# Altium PCB CM3_IO_V1.3_20220317.PcbDoc (part 1 of 7)
Units mil, origin at the board's own origin, x right, y up, seen from the top; angles counter-clockwise.
Board outline 6299.61 x 3544.09 mil, 4 copper layers (Top, GND, Power, Bottom), stack 35.4 mil thick; 551 components, 415 nets, 1958 pads, 2673 vias.
Unrouted connection lines stored in the file: 298.
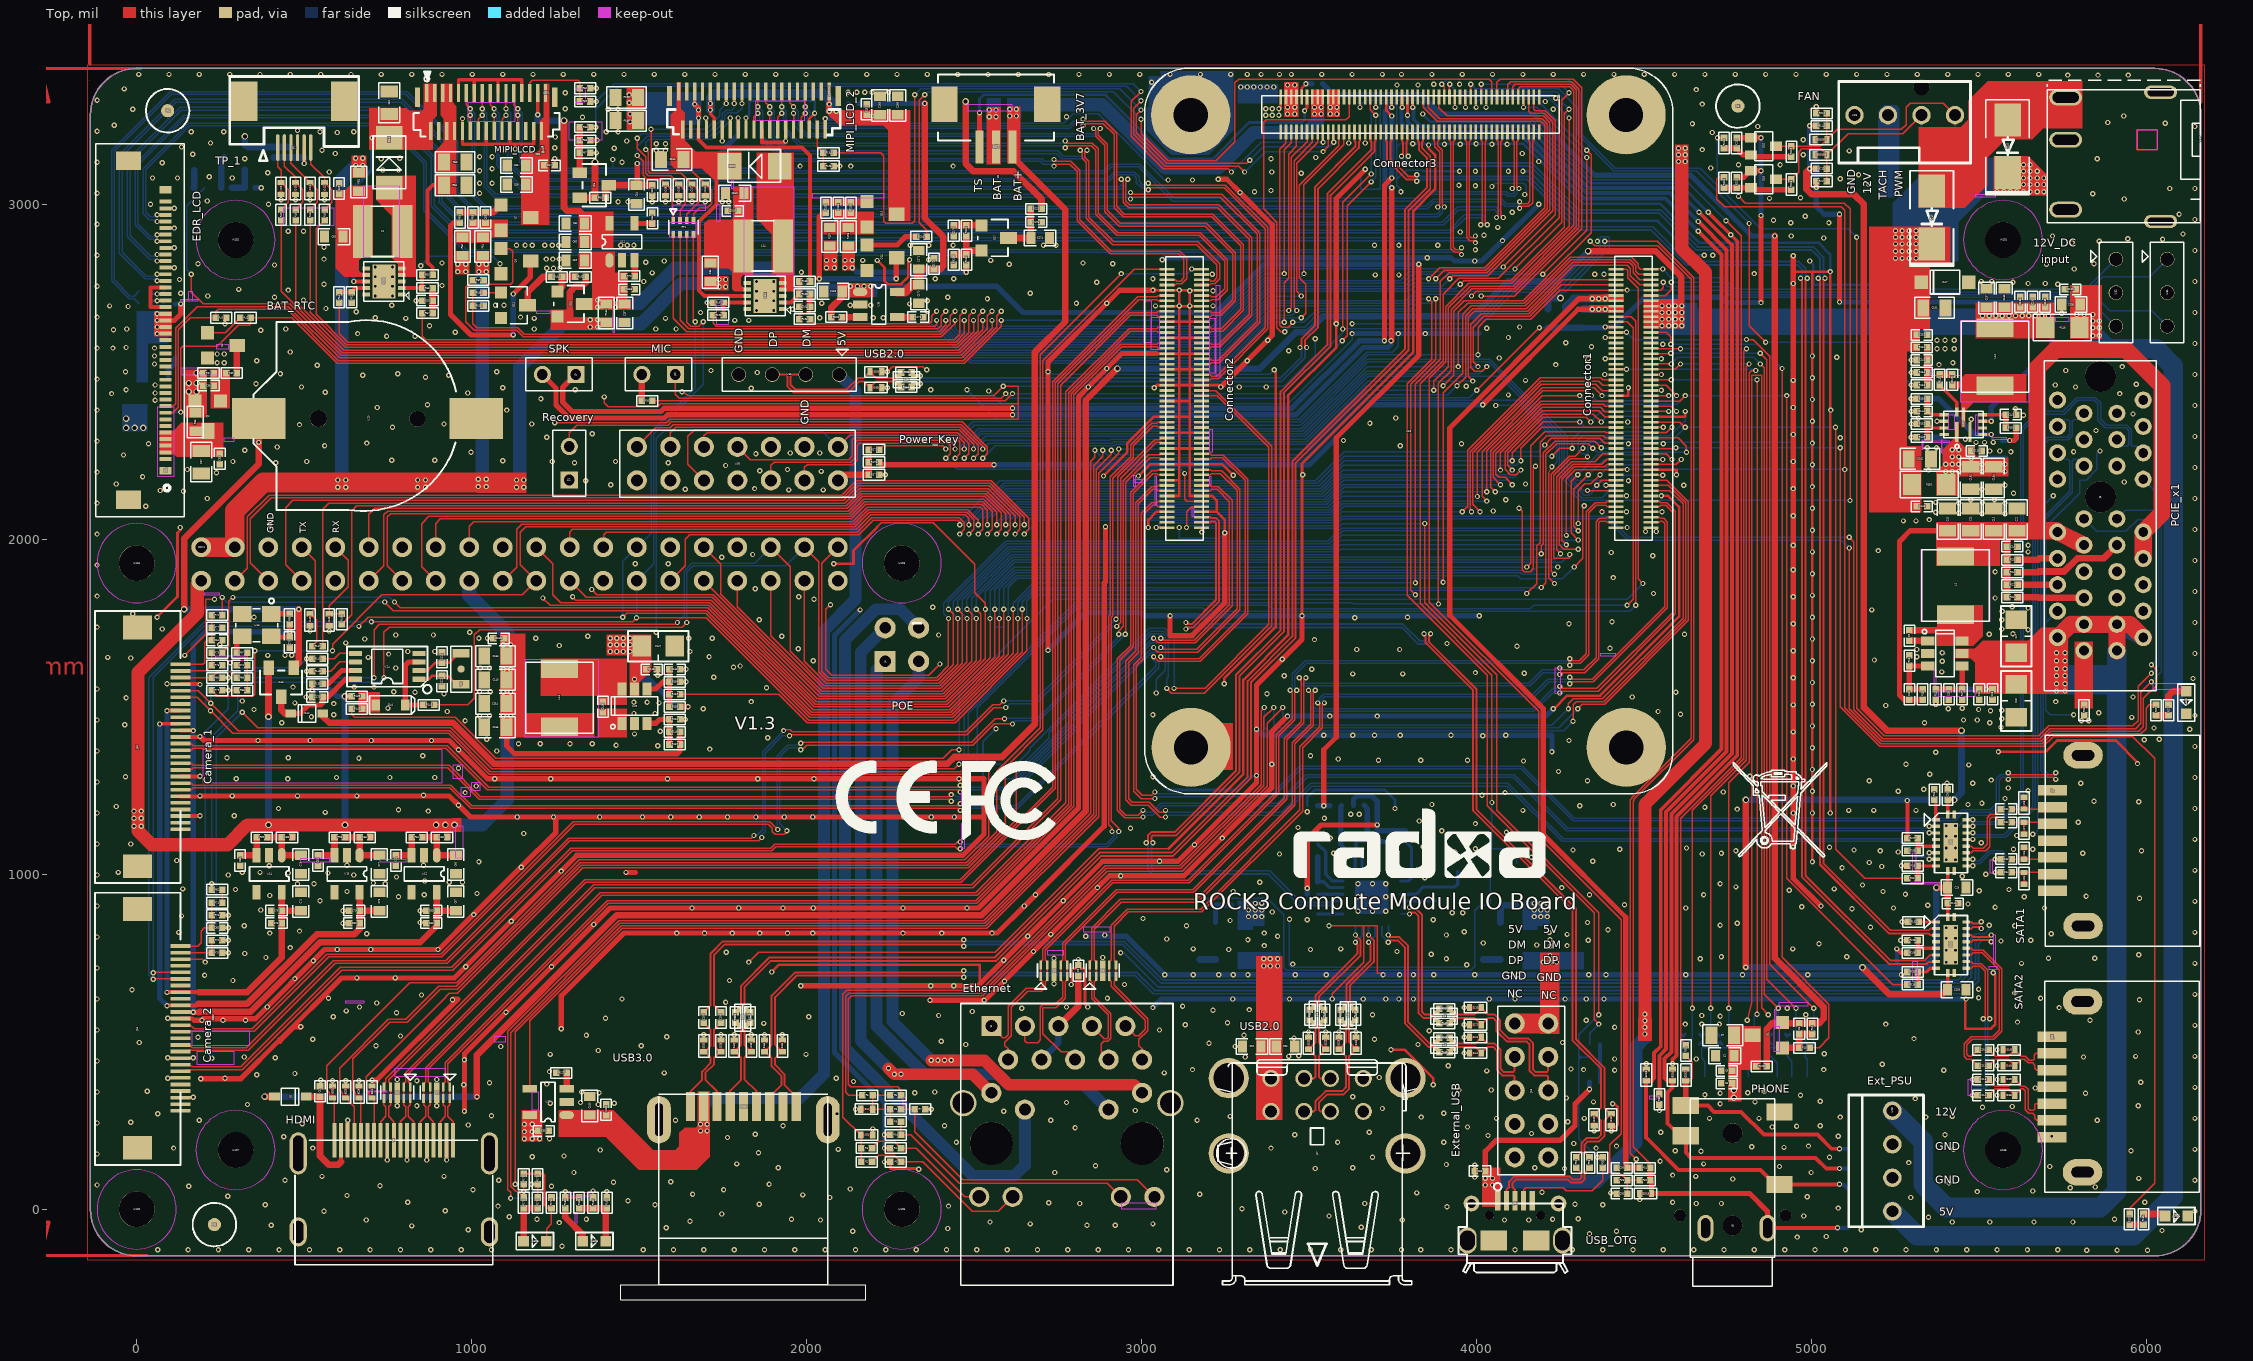
[diagram p0: Top view]
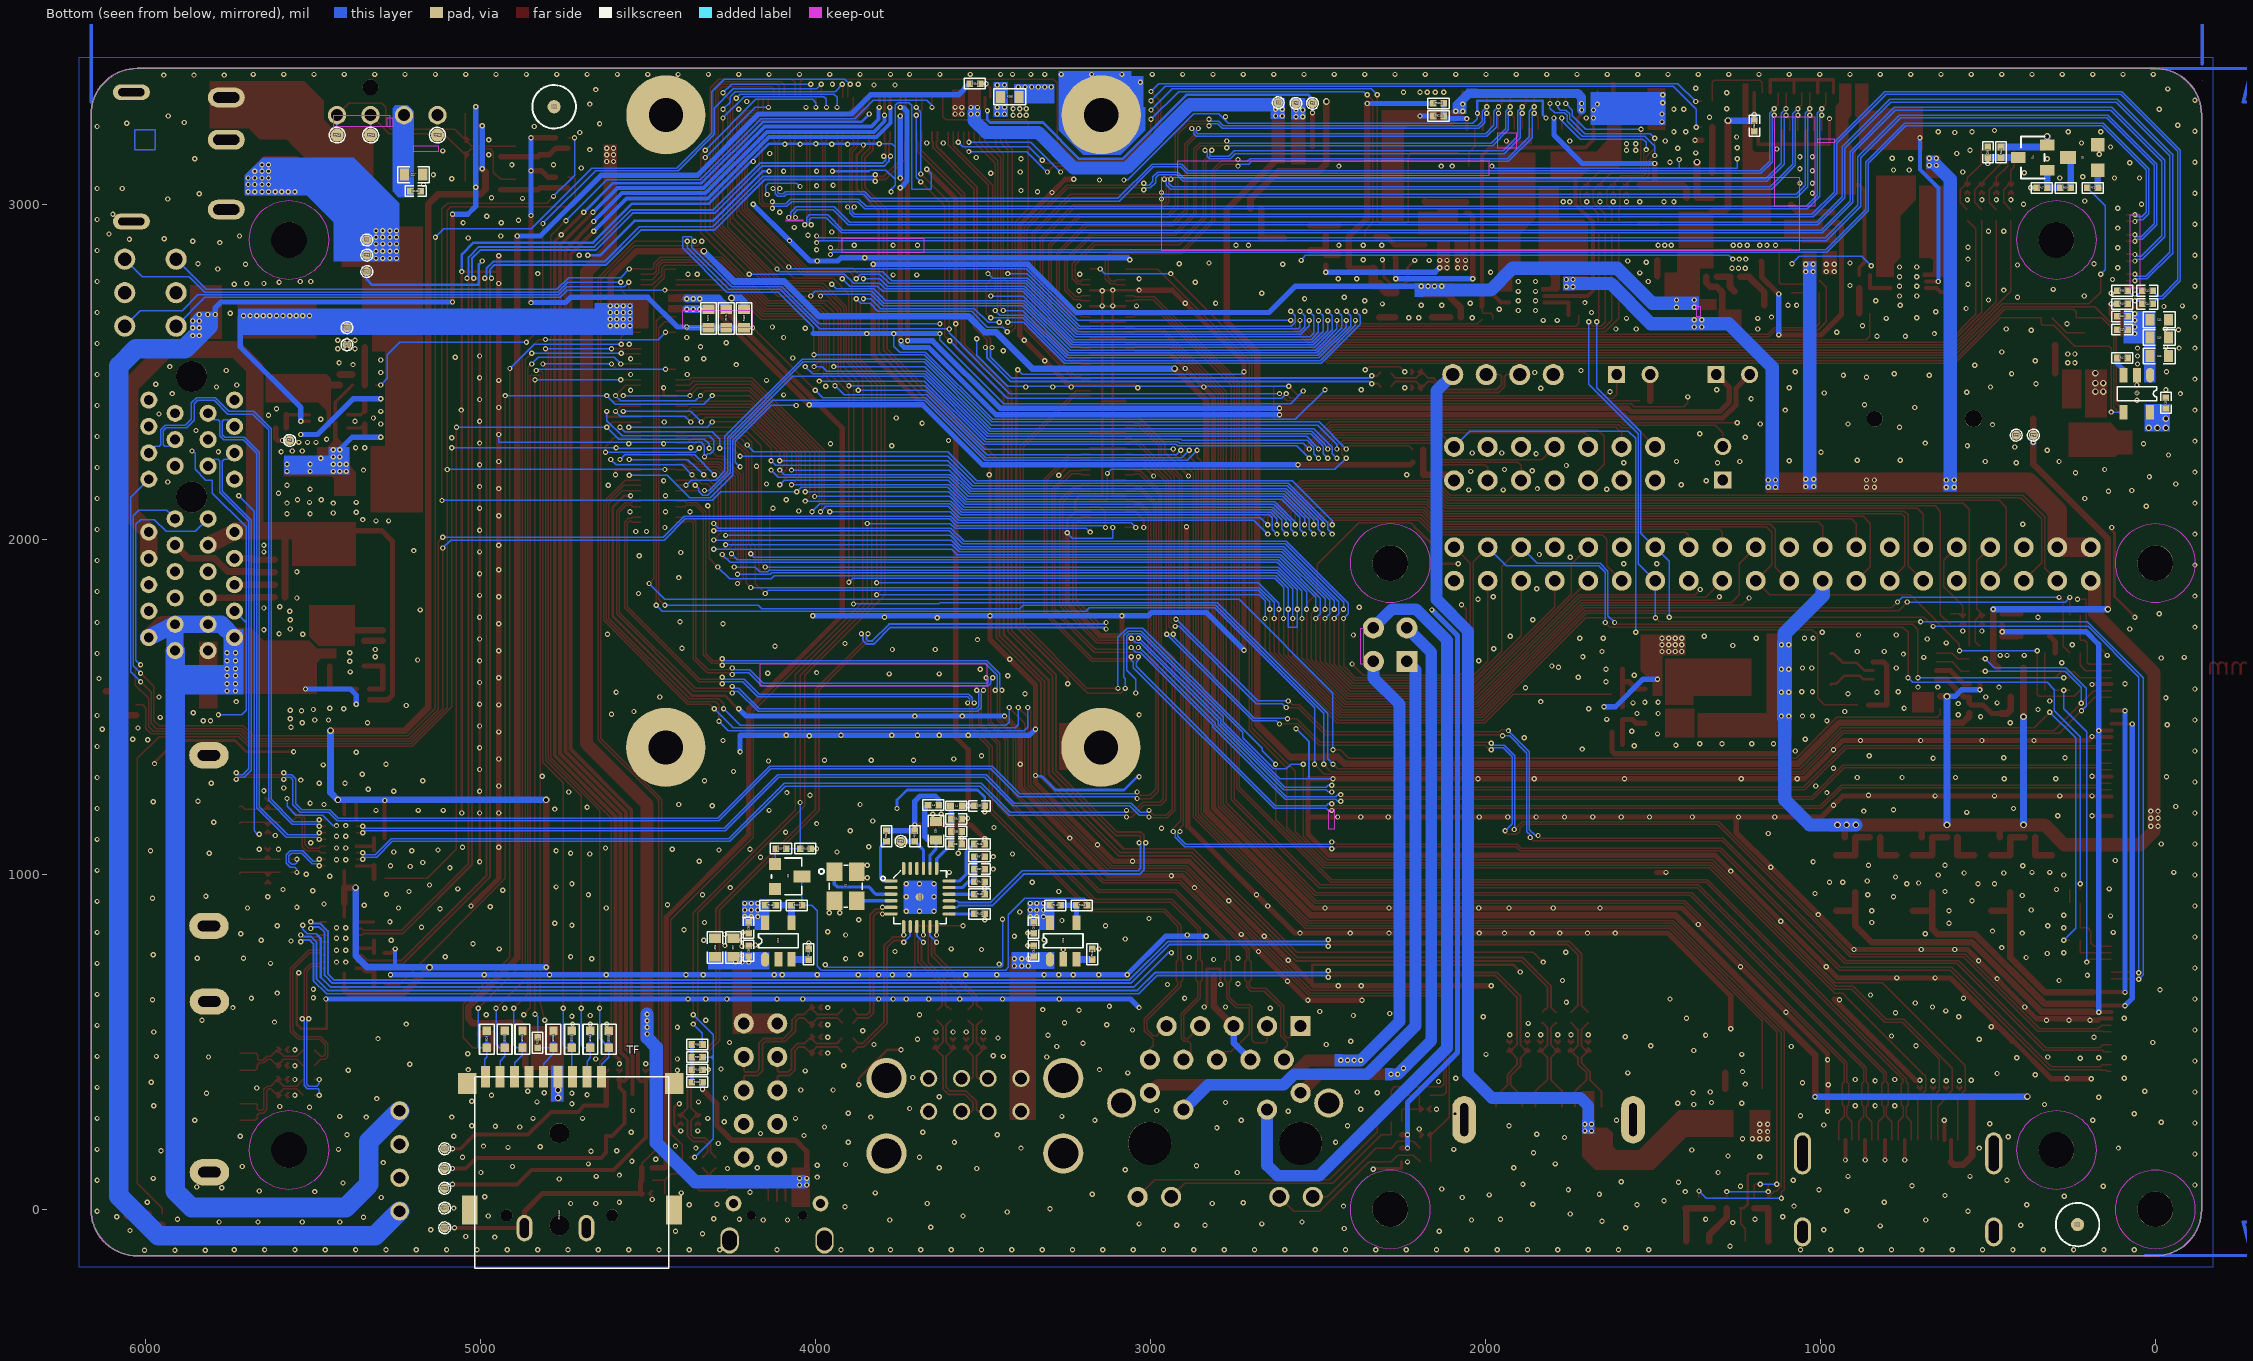
[diagram p1: Bottom view, seen from below]
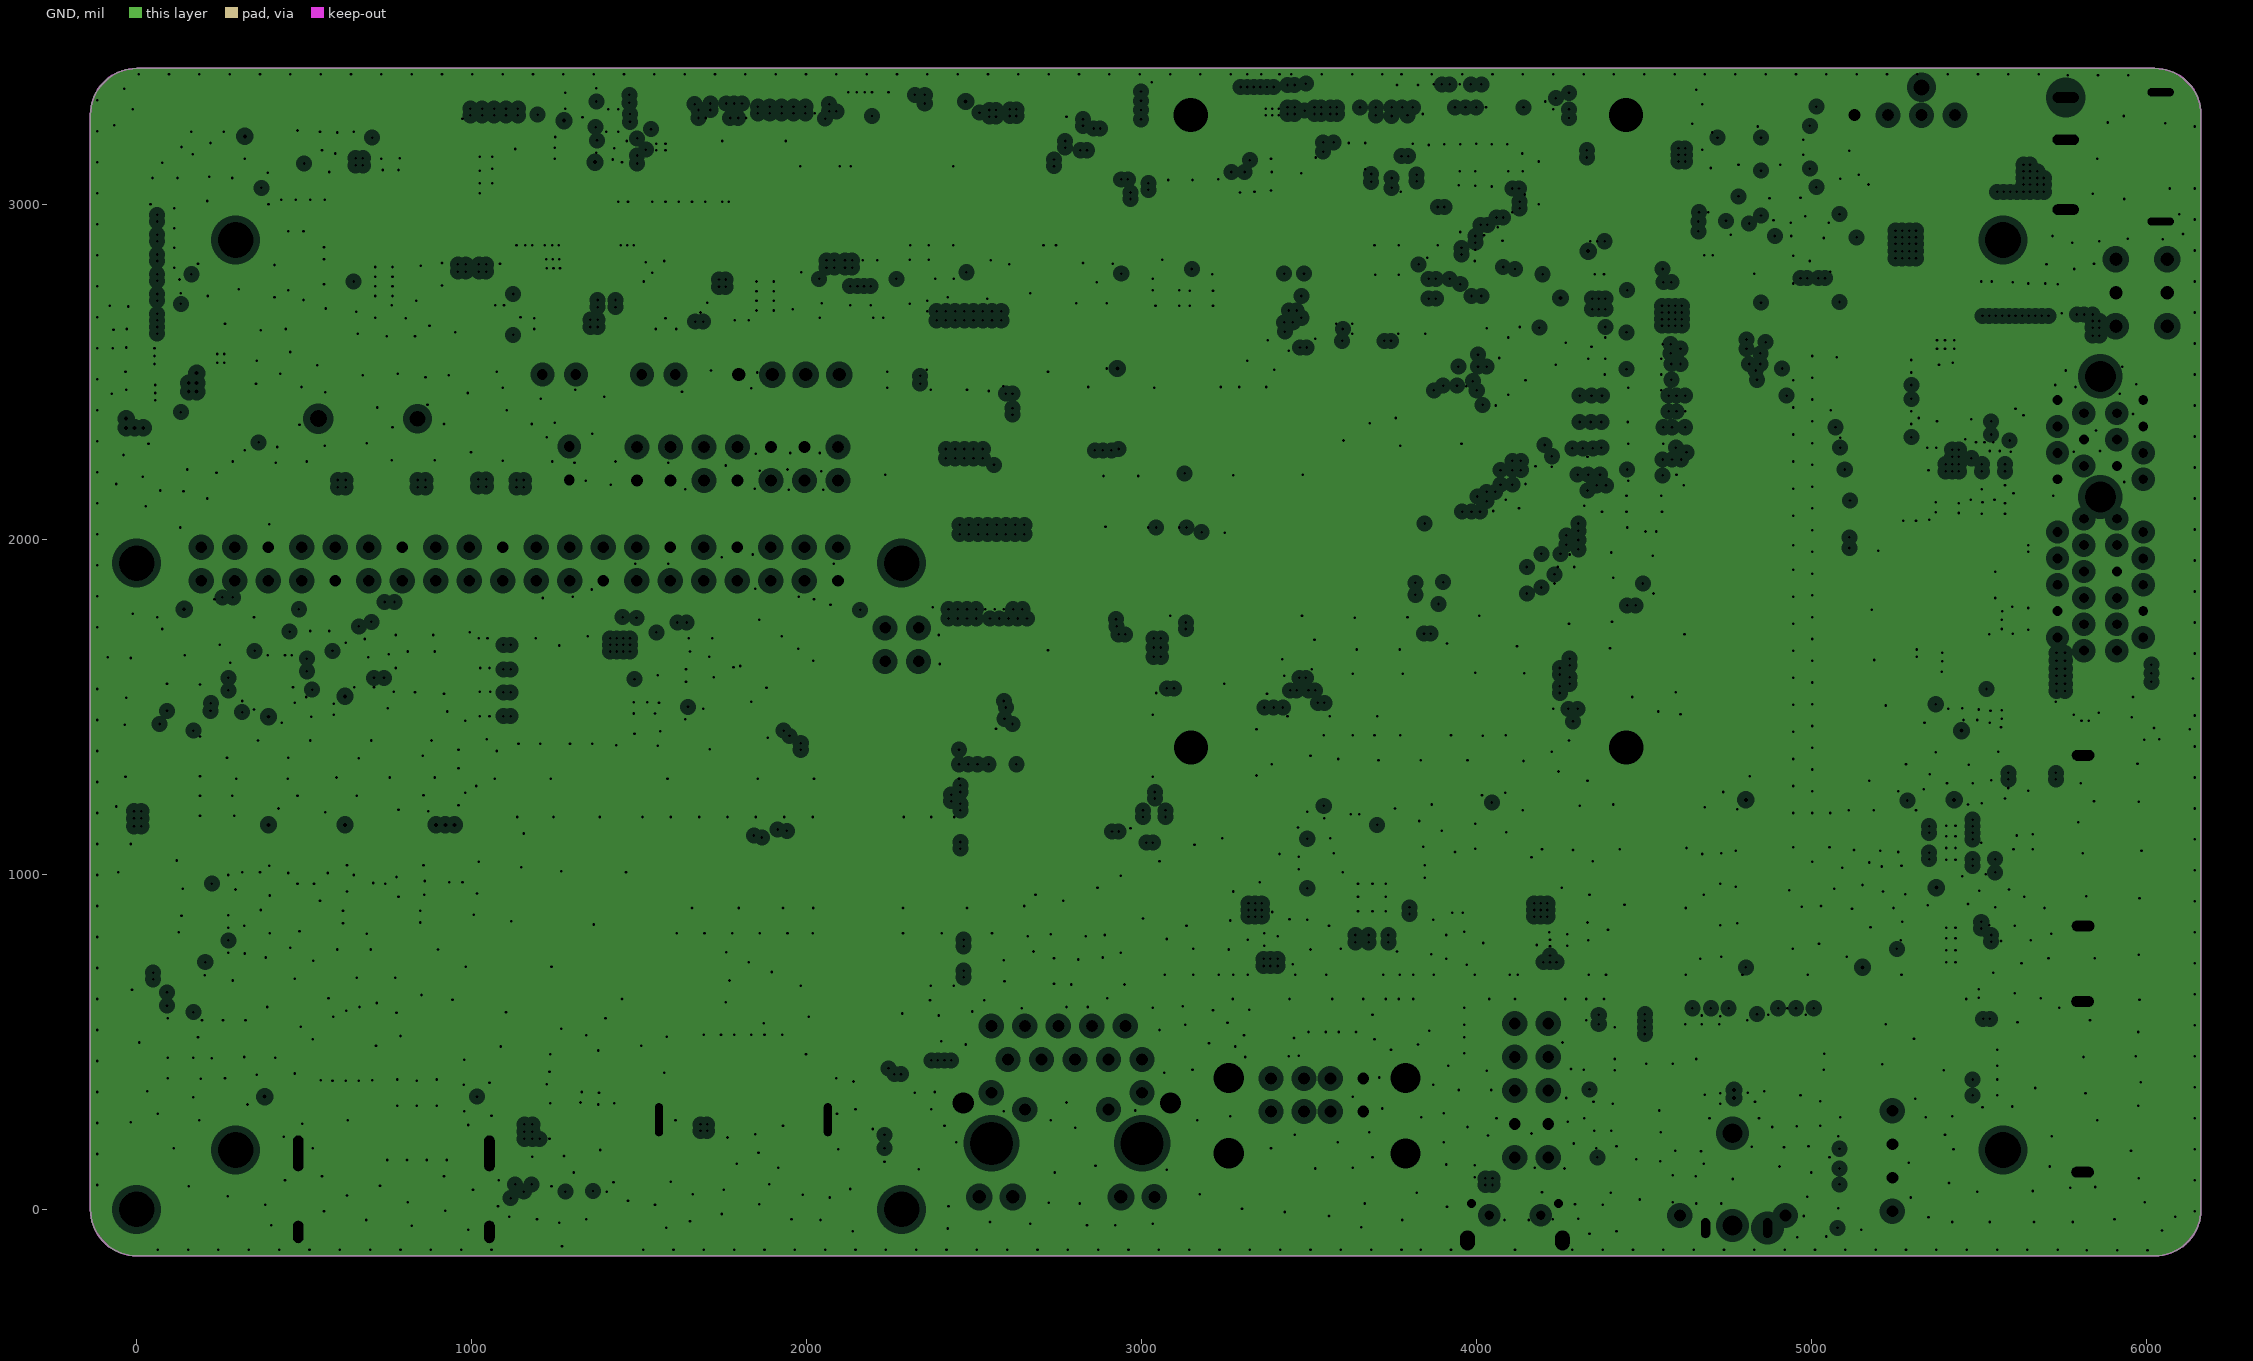
[diagram p2: GND, clearances drawn from the general rule]
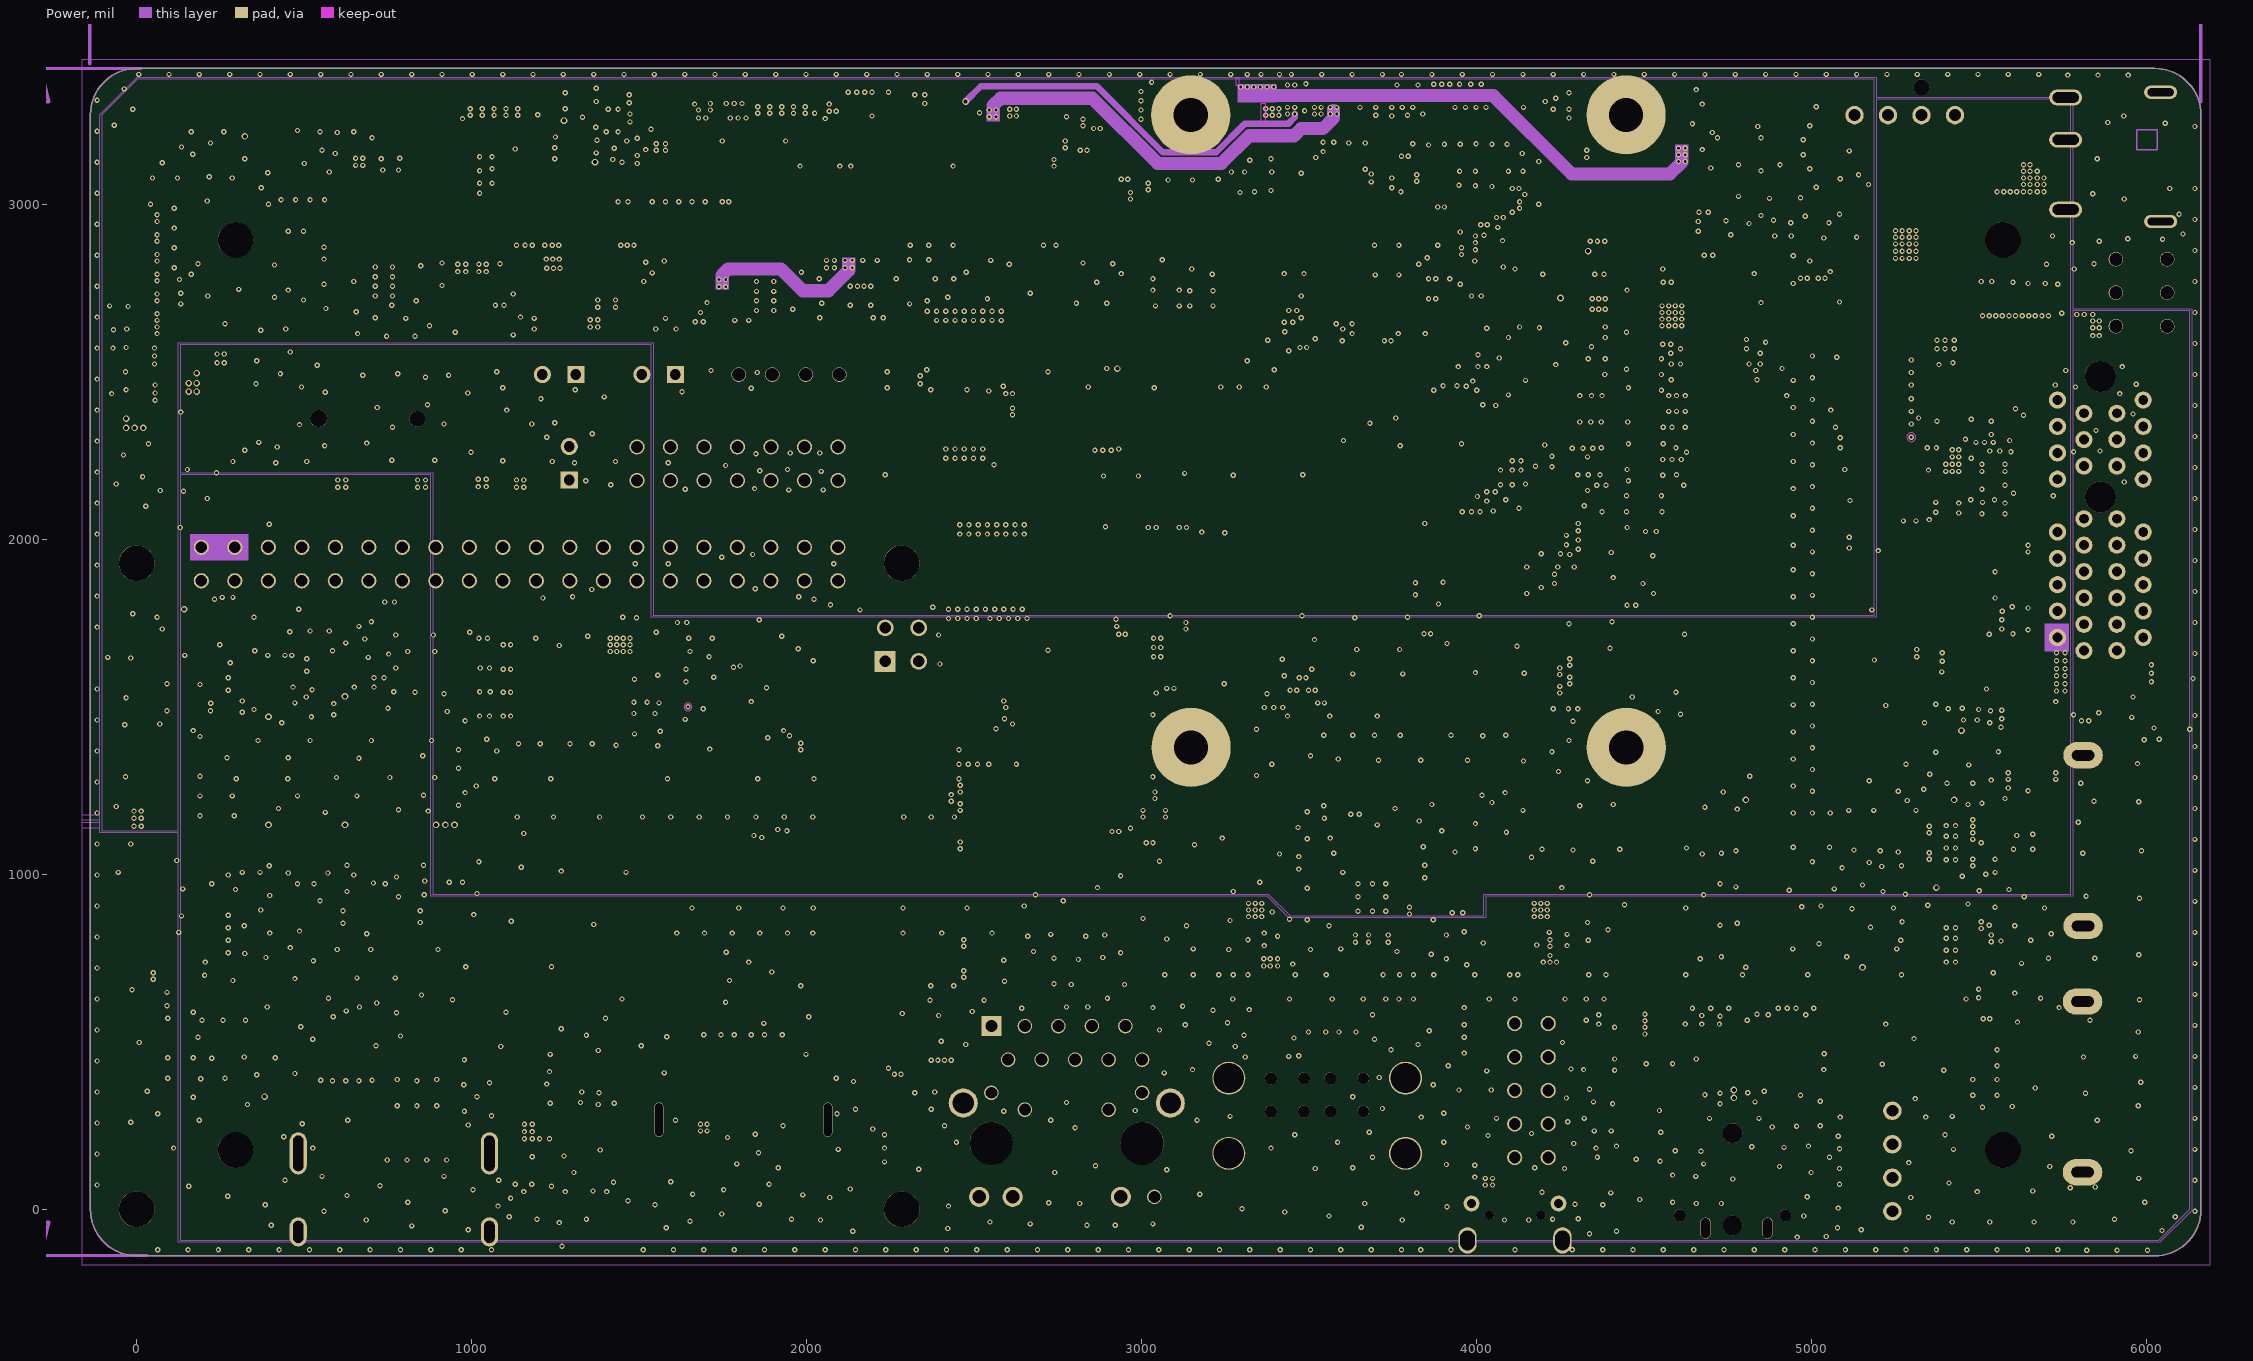
[diagram p3: Power]

## Layer stack, top to bottom
Solder Mask Top: solder mask 0.4, Solder Resist, Dk 3.5
Top: signal copper 1.35
Dielectric 1: dielectric 10, FR-4, Dk 4.3
GND: plane copper 1.35
Dielectric2: dielectric 10, FR-4, Dk 4.3
Power: signal copper 1.35
Dielectric3: dielectric 10, FR-4, Dk 4.3
Bottom: signal copper 1.35
Solder Mask Bottom: solder mask 0.4, Solder Resist, Dk 3.5

## Board outline
-137.8,3267.72 cw(c0,3267.72) 0,3405.51 6024.02,3405.51 cw(c6024.02,3267.72) 6161.81,3267.72 6161.81,-0.79 cw(c6024.02,-0.79) 6024.02,-138.58 0,-138.58 cw(c0,-0.79) -137.8,-0.79

## Design rules (kind name [scope] priority, off if disabled: settings)
Clearance "Clearance - Default - DEFAULT - Via" [IsVia vs IsVia] p1: gap=0 ignorepadtopadclearanceinfootprint=FALSE
Clearance "Clearance - Default - DEFAULT- SMD" [IsVia vs IsSMTPin] p2: gap=0 ignorepadtopadclearanceinfootprint=FALSE
Clearance "Clearance - Default - DEFAULT - Net" [All] p3: gap=3.94 ignorepadtopadclearanceinfootprint=FALSE except(0: Arc-Hole Track-Hole SMDPad-Hole THPad-Hole Via-Hole Fill-Hole Poly-Hole Region-Hole Text-Hole; 5.91: Arc-Fill Arc-Poly Arc-Region Track-Fill Track-Poly Track-Region SMDPad-Fill SMDPad-Poly SMDPad-Region THPad-Fill THPad-Poly THPad-Region Via-Fill Via-Poly Via-Region Fill-Fill Fill-Poly Fill-Region Poly-Poly Poly-Region Region-Region; 10: Text-Text)
ComponentClearance "ComponentClearance - Default - DEFAULT" [All] p1: gap=0 collisioncheckmode=3 verticalgap=10 showdistances=FALSE
DiffPairsRouting "DiffPairsRouting - DiffPair - USB3_SSTX" [InDifferentialPairClass('DiffPairClassFor_DP_GAP_39370_Width_59055')] p1: maxlimit=3.94 minlimit=3.94 mostfreqgap=3.94 toplayer_minwidth=5.91 toplayer_maxwidth=5.91 toplayer_prefwidth=5.91 midlayer1_minwidth=5.91 midlayer1_maxwidth=5.91 midlayer1_prefwidth=5.91 bottomlayer_minwidth=5.91 bottomlayer_maxwidth=5.91 bottomlayer_prefwidth=5.91 maxuncoupledlength=500
DiffPairsRouting "DiffPairsRouting - DiffPair - Default" [All] p2: maxlimit=3.94 minlimit=3.94 mostfreqgap=3.94 toplayer_minwidth=3.94 toplayer_maxwidth=3.94 toplayer_prefwidth=3.94 midlayer1_minwidth=3.94 midlayer1_maxwidth=3.94 midlayer1_prefwidth=3.94 bottomlayer_minwidth=3.94 bottomlayer_maxwidth=3.94 bottomlayer_prefwidth=3.94 maxuncoupledlength=500
FanoutControl Fanout_SOIC [IsSOIC] p1: bgadir=Out bgaviamode=Centered fanoutstyle=Auto fanoutdirection=Alternating viagrid=1 // Fanout_SOIC (Default Rule)
FanoutControl Fanout_Small [(CompPinCount < 5)] p2: bgadir=Out bgaviamode=Centered fanoutstyle=Auto fanoutdirection=OutThenIn viagrid=1 // Fanout_Small (Default Rule)
FanoutControl Fanout_LCC [IsLCC] p3: bgadir=Out bgaviamode=Centered fanoutstyle=Auto fanoutdirection=Alternating viagrid=1 // Fanout_LCC (Default Rule)
FanoutControl Fanout_BGA [IsBGA] p4: bgadir=Out bgaviamode=Centered fanoutstyle=Auto fanoutdirection=Alternating viagrid=1 // Fanout_BGA (Default Rule)
HoleToHoleClearance "HoleToHoleClearance - Default - DEFAULT" [All] p1: gap=0 allowstackedmicrovias=TRUE
Length "Default Length" [All] p1: maxlimit=50000 minlimit=0
MaxMinImpedance "Default Impedance" [All] p1: minimum=50.00 maximum=150.0
ParallelSegment "Default Parallel Segment Same Layer" [All] p1: limit=1000 gap=200
ParallelSegment "Default Parallel Segment Adjasent" [All] p2: limit=1000 gap=200
PlaneClearance "PlaneClearance - FootPrint 'DIP_10PIN-2_54MM'" [HasFootprint('DIP_10PIN-2_54MM')] p1: clearance=4.92 // PAD - Power Plane Clearance
PlaneClearance "PlaneClearance - FootPrint 'DIP4PIN-2_54MM-2X2'" [HasFootprint('DIP4PIN-2_54MM-2X2')] p2: clearance=7.5 // PAD - Power Plane Clearance
PlaneClearance "PlaneClearance - FootPrint 'DIP_14PIN-2_54MM'" [HasFootprint('DIP_14PIN-2_54MM')] p3: clearance=4.92 // PAD - Power Plane Clearance
PlaneConnect "Default PlaneConnect" [All] p1: planeconnectstyle=Relief reliefexpansion=20 reliefentries=4 reliefconductorwidth=15 reliefairgap=10
PolygonConnect "PolygonConnect - Default SMT" [IsSMTPin] p1: connectstyle=Direct reliefconductorwidth=10 reliefentries=4 polygonreliefangle="45 Angle" airgapwidth=10
PolygonConnect "PolygonConnect - Default Pad" [All] p2: connectstyle=Relief reliefconductorwidth=15 reliefentries=4 polygonreliefangle="45 Angle" airgapwidth=10
RoutingLayers "RoutingLayers - Default - DEFAULT" [All] p1: top layer_v5=TRUE mid layer 1_v5=TRUE bottom layer_v5=TRUE
RoutingPriority "RoutingPriority - Default - DEFAULT" [All] p1: routingpriority=3
RoutingTopology "Default Routing Topology" [All] p1: topology=Shortest
RoutingVias "RoutingVias - Default - DEFAULT" [All] p1: holewidth=7.87 width=15.75 viastyle="Through Hole" minholewidth=7.87 minwidth=15.75 maxholewidth=7.87 maxwidth=15.75
SMDToCorner "SMDToCorner - Default - DEFAULT" [All] p1: distance=0
SolderMaskExpansion [All] p1: expansion=4 istentingtop=FALSE
Width "Width - Net - GND" [InNet('GND')] p1: maxlimit=196.85 minlimit=3.94 preferedwidth=7.87
Width "Width - NetClass - ClearanceClass_3(RuleSet)" [InNetClass('ClearanceClass_3(RuleSet)') OR InNetClass('ClearanceClass_4(RuleSet)')] p2: maxlimit=196.85 minlimit=3.94 preferedwidth=5.91
Width "Default Width" [All] p3: maxlimit=196.85 minlimit=3.94 preferedwidth=3.94
18 further rules are at their usual default settings.

## Classes and differential pairs
net class ClearanceClass_3(RuleSet): N17857883 N17857891 USB2_HOST3_DM USB2_HOST3_DP
net class ClearanceClass_4(RuleSet): N17858999 N17859001 USB3_SSRXN USB3_SSRXP
differential pair class DiffPairClassFor_DP_GAP_39370_Width_59055: N1785 N178356 N178370 N178578 N178590 N1782032 N1783563 N1783706 USB1_D USB2_D USB2_HOST2_D USB2_HOST3_D USB3_D USB3_HOST1_D USB3_HOST1_SSRX USB3_HOST1_SSTX USB3_SSRX USB3_SSTX USB4_D USB_OTG0_D
differential pair N178590: +N17859027 -N17859034
differential pair N1797308: +N17973086 -N17973089
differential pair N1797309: +N17973095 -N17973092
differential pair N1785: +N17858999 -N17859001
differential pair N1783706: +N17837061 -N17837065
differential pair N178370: +N17837073 -N17837091
differential pair N178578: +N17857883 -N17857891
differential pair N1797828: +N17978286 -N17978284
differential pair EDP_TX_D0: +EDP_TX_D0N -EDP_TX_D0P
differential pair EDP_TX_AUX: +EDP_TX_AUXP -EDP_TX_AUXN
differential pair PCIE20_TX: +PCIE20_TXP_1 -PCIE20_TXN_1
differential pair EDP_TX_D1: +EDP_TX_D1N -EDP_TX_D1P
differential pair N179782: +N17978288 -N17978290
differential pair EDP_TX_D3: +EDP_TX_D3N -EDP_TX_D3P
differential pair EDP_TX_D2: +EDP_TX_D2N -EDP_TX_D2P
differential pair MIPI_DSI_TX1_D2: +MIPI_DSI_TX1_D2N -MIPI_DSI_TX1_D2P
differential pair MIPI_DSI_TX0_D3: +MIPI_DSI_TX0_D3P/LVDS_TX0_D3P -MIPI_DSI_TX0_D3N/LVDS_TX0_D3N
differential pair MIPI_DSI_TX0_D2: +MIPI_DSI_TX0_D2N/LVDS_TX0_D2N -MIPI_DSI_TX0_D2P/LVDS_TX0_D2P
differential pair MIPI_DSI_TX1_D3: +MIPI_DSI_TX1_D3N -MIPI_DSI_TX1_D3P
differential pair MIPI_DSI_TX1_CLK: +MIPI_DSI_TX1_CLKN -MIPI_DSI_TX1_CLKP
differential pair MIPI_DSI_TX1_D0: +MIPI_DSI_TX1_D0N -MIPI_DSI_TX1_D0P
differential pair MIPI_DSI_TX1_D1: +MIPI_DSI_TX1_D1P -MIPI_DSI_TX1_D1N
differential pair MIPI_DSI_TX0_D1: +MIPI_DSI_TX0_D1P/LVDS_TX0_D1P -MIPI_DSI_TX0_D1N/LVDS_TX0_D1N
differential pair N1782032: +N17820324 -N17820323
differential pair N1783563: +N17835631 -N17835635
differential pair N178356: +N17835661 -N17835643
differential pair USB2_HOST2_D: +USB2_HOST2_DP -USB2_HOST2_DM
differential pair MIPI_CSI_RX_D0: +MIPI_CSI_RX_D0N -MIPI_CSI_RX_D0P
differential pair MIPI_CSI_RX_CLK1: +MIPI_CSI_RX_CLK1N -MIPI_CSI_RX_CLK1P
differential pair MIPI_CSI_RX_CLK0: +MIPI_CSI_RX_CLK0P -MIPI_CSI_RX_CLK0N
differential pair USB3_D: +USB3_DP -USB3_DM
differential pair USB2_D: +USB2_DM -USB2_DP
differential pair USB1_D: +USB1_DM -USB1_DP
differential pair USB4_D: +USB4_DP -USB4_DM
differential pair MIPI_DSI_TX0_CLK: +MIPI_DSI_TX0_CLKN/LVDS_TX0_CLKN -MIPI_DSI_TX0_CLKP/LVDS_TX0_CLKP
differential pair MIPI_CSI_RX_D1: +MIPI_CSI_RX_D1P -MIPI_CSI_RX_D1N
differential pair PCIE20_REFCLK: +PCIE20_REFCLKN -PCIE20_REFCLKP
differential pair USB_OTG0_D: +USB_OTG0_DP -USB_OTG0_DM
differential pair HDMI_TX2: +HDMI_TX2N_PORT -HDMI_TX2P_PORT
differential pair HDMI_TXCLK: +HDMI_TXCLKN_PORT -HDMI_TXCLKP_PORT
differential pair HDMI_TX0: +HDMI_TX0N_PORT -HDMI_TX0P_PORT
differential pair HDMI_TX1: +HDMI_TX1N_PORT -HDMI_TX1P_PORT
differential pair PHY1_MDI2: +PHY1_MDI2+ -PHY1_MDI2-
differential pair PHY1_MDI1: +PHY1_MDI1+ -PHY1_MDI1-
differential pair PHY1_MDI0: +PHY1_MDI0- -PHY1_MDI0+
differential pair USB3_HOST1_D: +USB3_HOST1_DP -USB3_HOST1_DM
differential pair USB2_HOST3_D: +USB2_HOST3_DP -USB2_HOST3_DM
differential pair PHY1_MDI3: +PHY1_MDI3+ -PHY1_MDI3-
differential pair USB3_HOST1_SSRX: +USB3_HOST1_SSRXN -USB3_HOST1_SSRXP
differential pair PCIE20_RX: +PCIE20_RXP_1 -PCIE20_RXN_1
differential pair PCIE20_TX_1: +PCIE20_TXP -PCIE20_TXN
differential pair USB3_HOST1_SSTX: +USB3_HOST1_SSTXN -USB3_HOST1_SSTXP
differential pair SATA1_TX: +SATA1_TXN -SATA1_TXP
differential pair SATA2_RX: +SATA2_RXP -SATA2_RXN
differential pair SATA2_TX: +SATA2_TXN -SATA2_TXP
differential pair MIPI_DSI_TX0_D0: +MIPI_DSI_TX0_D0P/LVDS_TX0_D0P -MIPI_DSI_TX0_D0N/LVDS_TX0_D0N
differential pair USB3_SSRX: +USB3_SSRXN -USB3_SSRXP
differential pair SATA1_RX: +SATA1_RXP -SATA1_RXN
differential pair PCIE20_RX_1: +PCIE20_RXN -PCIE20_RXP
differential pair USB3_SSTX: +USB3_SSTXP -USB3_SSTXN
